# Altium PCB PyESPCar_Z1.PcbDoc
Units mil, origin at the board's own origin, x right, y up, seen from the top; angles counter-clockwise.
Board outline 3543.31 x 3385.83 mil, 2 copper layers (Top Layer, Bottom Layer); 48 components, 49 nets, 243 pads, 37 vias.
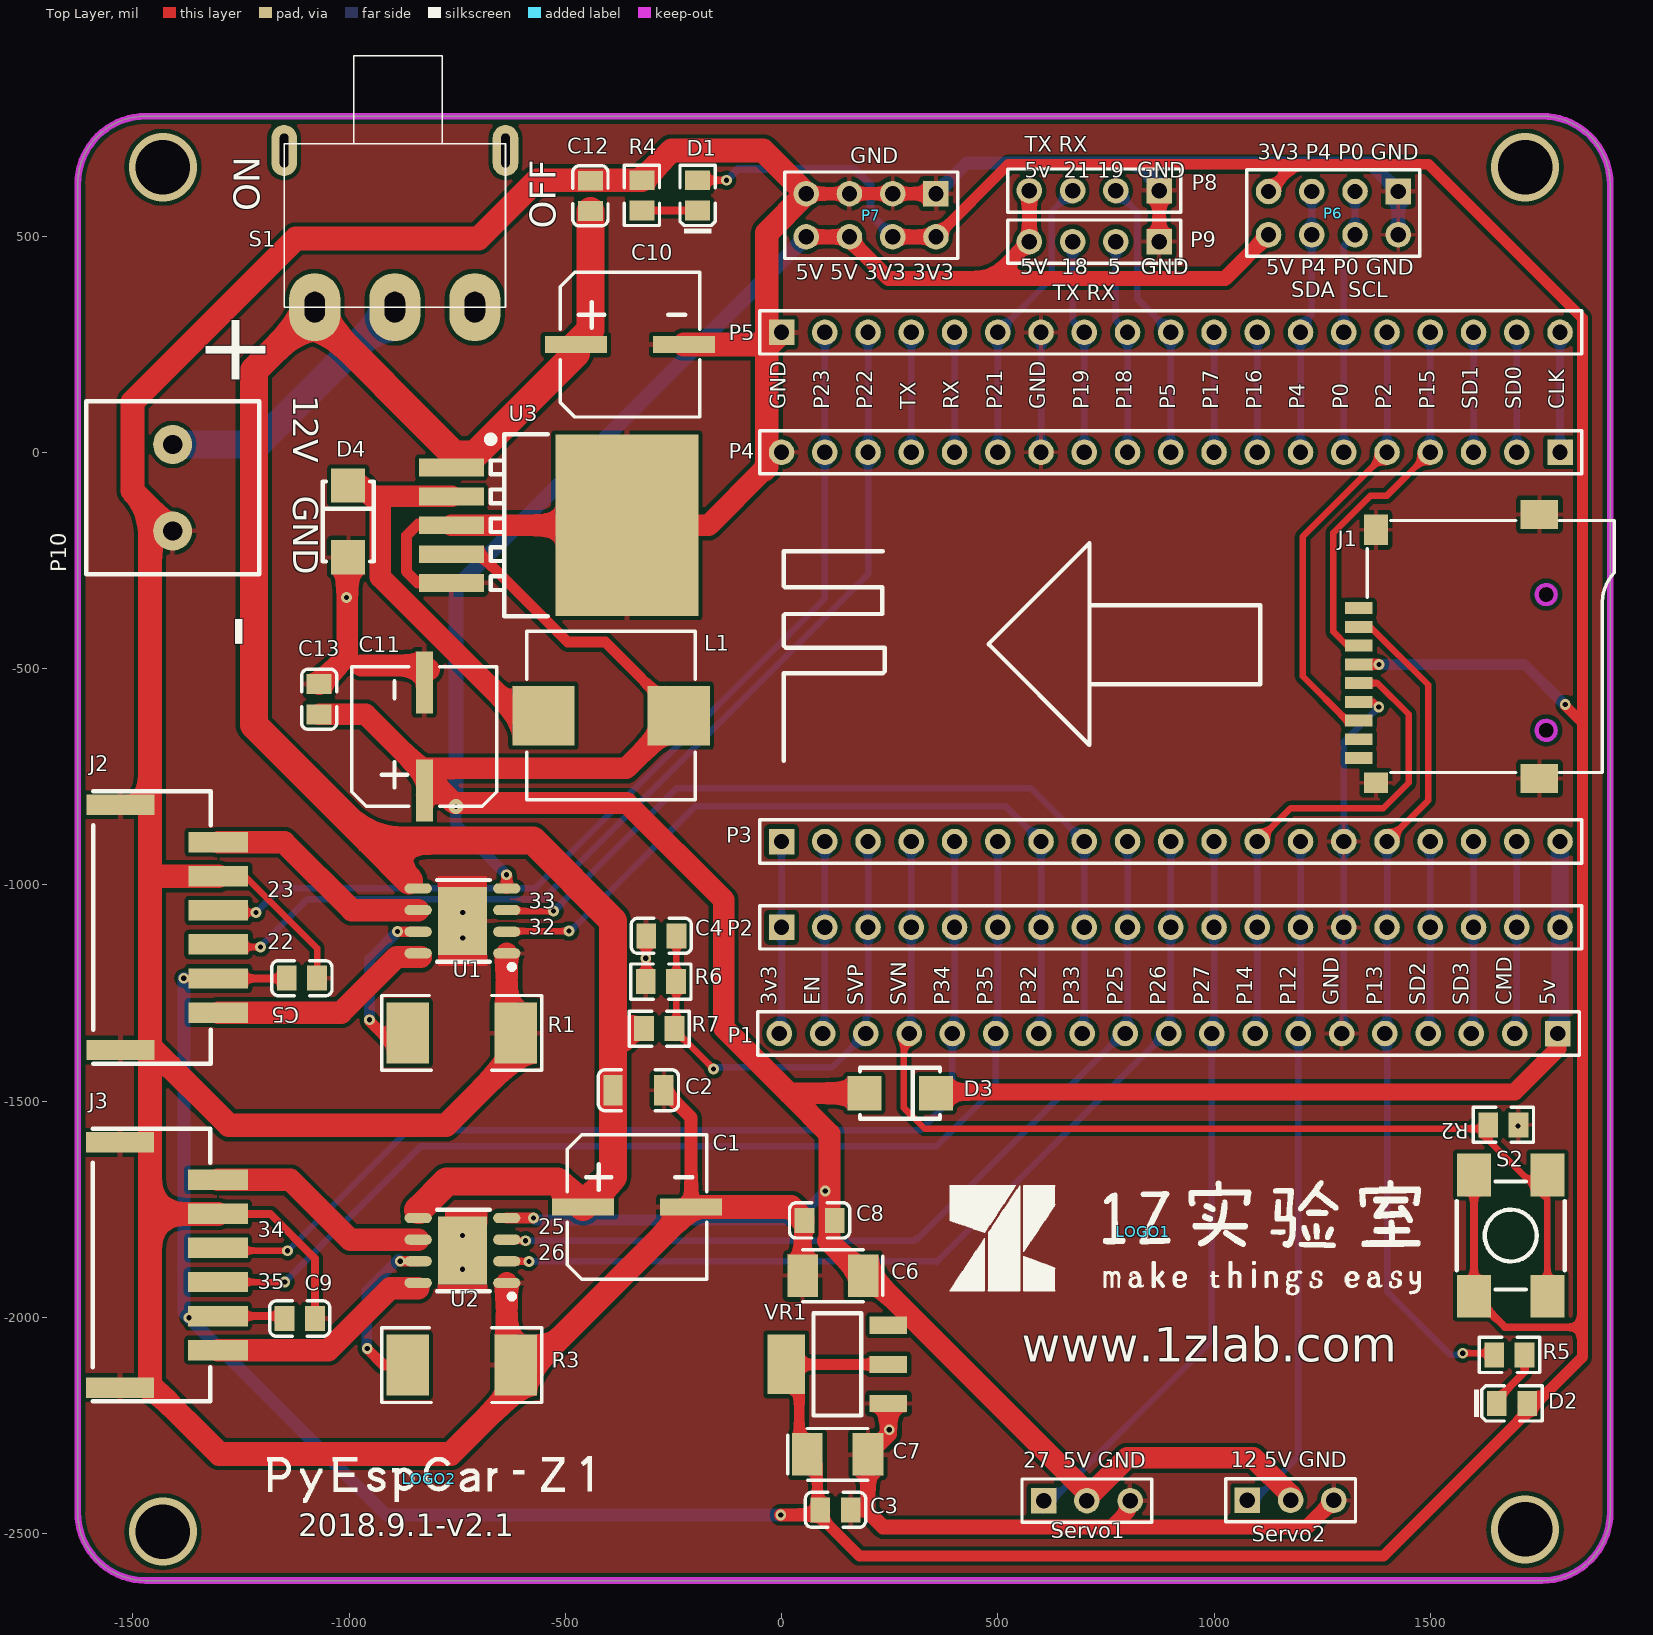
[diagram p0: Top Layer view]
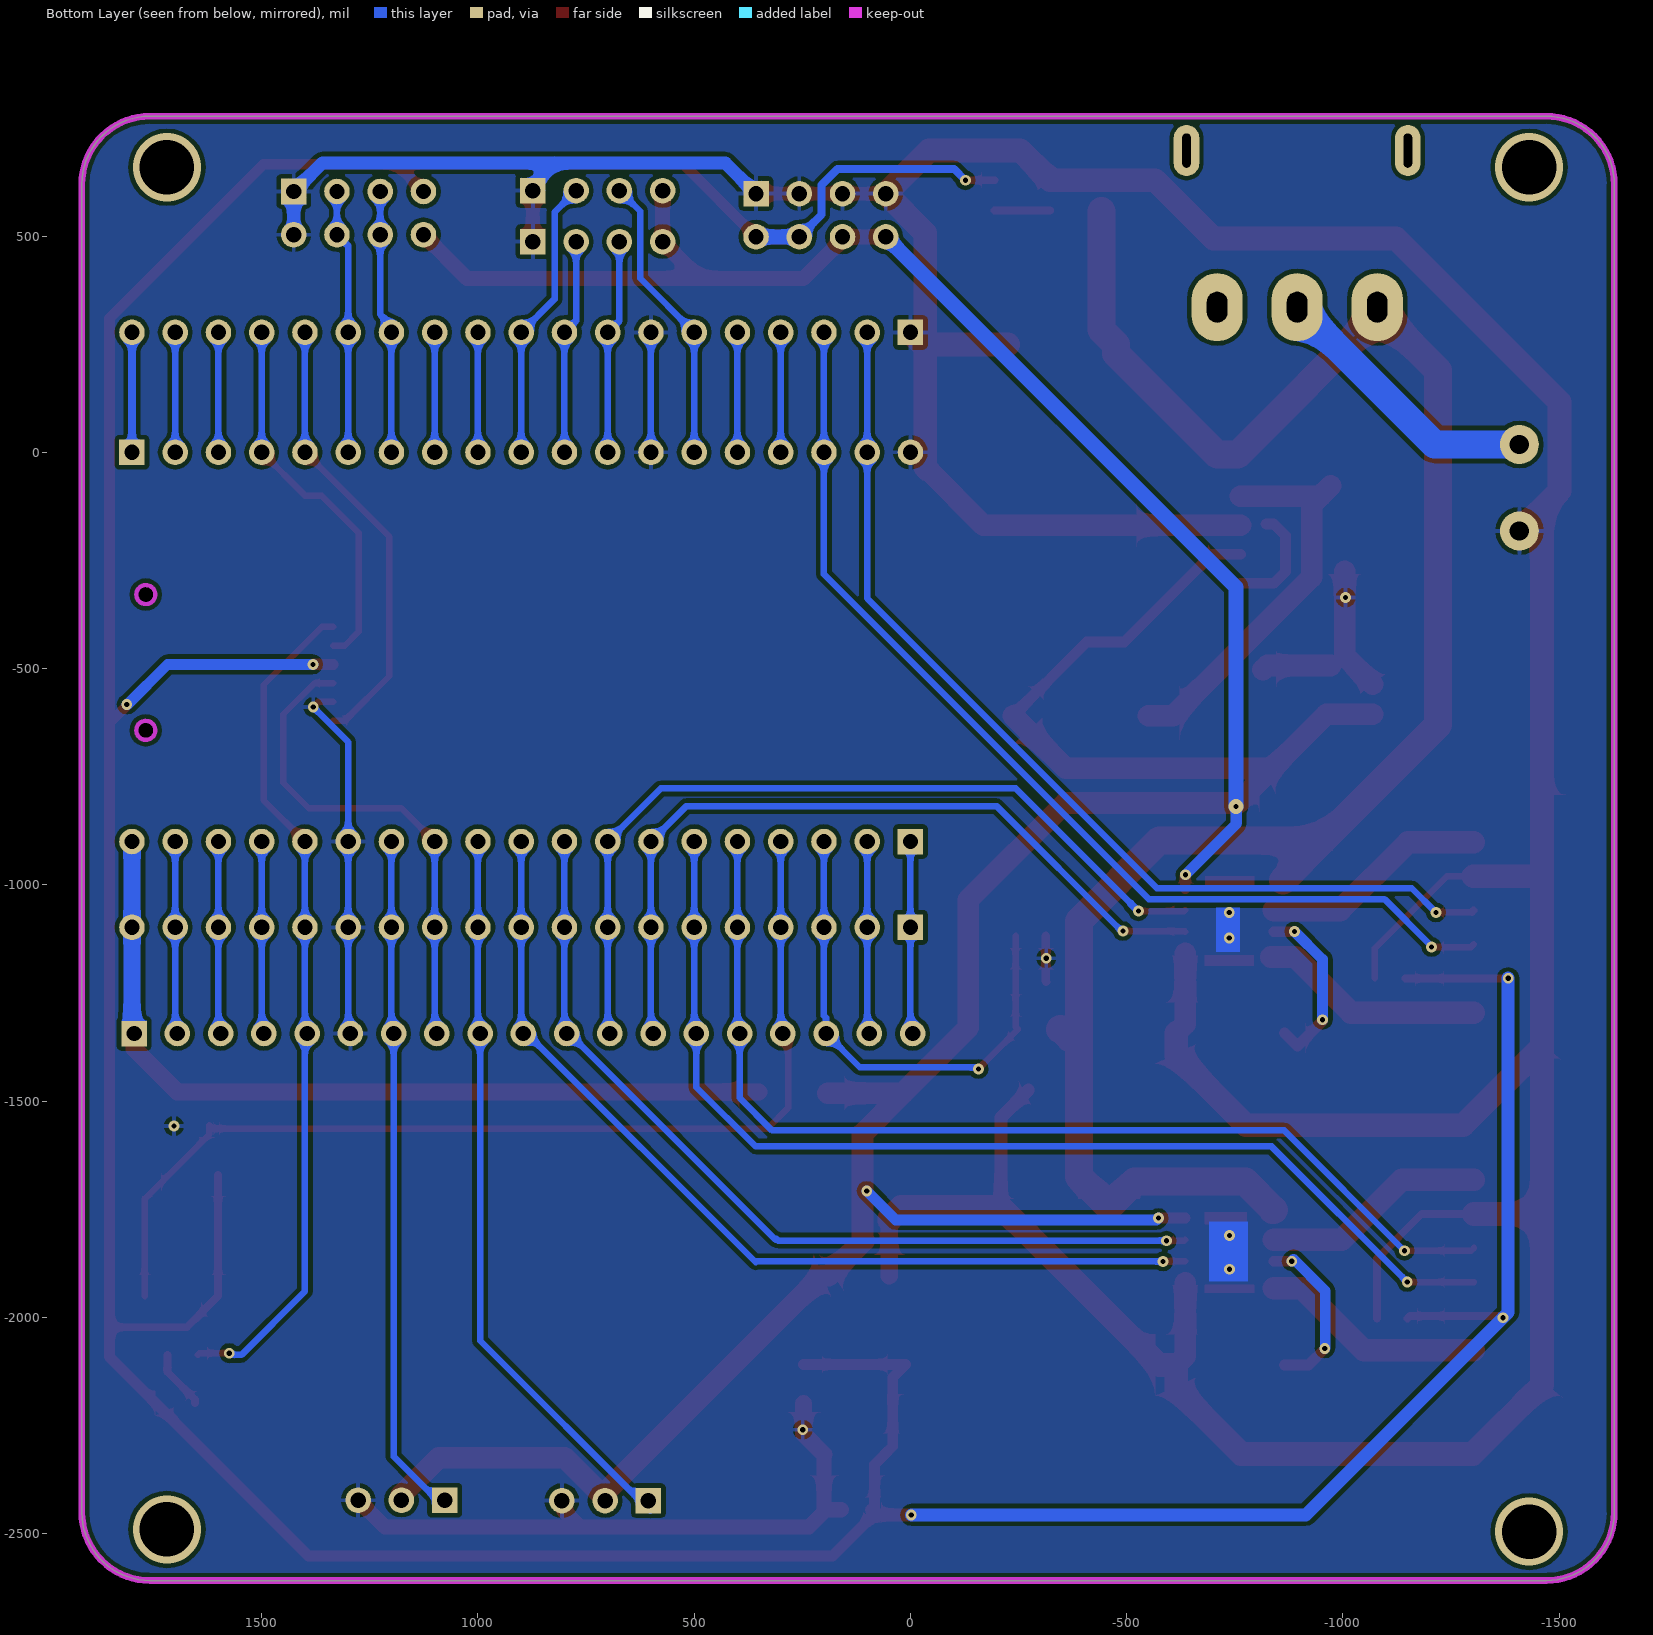
[diagram p1: Bottom Layer view, seen from below]

## Layer stack, top to bottom
Top Solder: solder mask 0.4, Solder Resist, Dk 3.5
Top Layer: signal copper 1.4
Dielectric1: core 12.6, FR-4, Dk 4.8
Bottom Layer: signal copper 1.4
Bottom Solder: solder mask 0.4, Solder Resist, Dk 3.5

## Board outline
-1627.41,-2451.25 ccw(c-1469.93,-2451.25) -1469.93,-2608.73 1758.42,-2608.73 ccw(c1758.42,-2451.25) 1915.9,-2451.25 1915.9,619.61 ccw(c1758.42,619.61) 1758.42,777.09 -1469.93,777.09 ccw(c-1469.93,619.61) -1627.41,619.61
cut-out: 1746,-329 ccw(c1768,-329) 1768,-351 ccw(c1768,-329) 1790,-329 ccw(c1768,-329) 1768,-307 ccw(c1768,-329)
cut-out: 1746,-643 ccw(c1768,-643) 1768,-665 ccw(c1768,-643) 1790,-643 ccw(c1768,-643) 1768,-621 ccw(c1768,-643)

## Design rules (kind name [scope] priority, off if disabled: settings)
Clearance [All] p1: gap=10 ignorepadtopadclearanceinfootprint=FALSE except(0: Arc-Hole Track-Hole SMDPad-Hole THPad-Hole Via-Hole Fill-Hole Poly-Hole Region-Hole Text-Hole)
HoleSize [All] p1: absolutevalues=TRUE maxlimit=200 minlimit=1 maxpercent=80.000 minpercent=20.000
PolygonConnect [All] p1: connectstyle=Relief reliefconductorwidth=10 reliefentries=4 polygonreliefangle="90 Angle" airgapwidth=10
RoutingVias [All] p1: holewidth=23.62 width=39.37 viastyle="Through Hole" minholewidth=1 minwidth=1 maxholewidth=28 maxwidth=50
SolderMaskExpansion [All] p1: expansion=4
Width [All] p1: maxlimit=65 minlimit=10 preferedwidth=50
29 further rules are at their usual default settings.

## Components (designator, comment, footprint, x,y, rotation, side; value= is the part's Value field where it differs from the comment)
C1 "220uF 35V" CAPM8485X103N -334,-1745 r0 top value=220uF35V
C2 "4.7uF (475) 10% 50V" 1206_C -331,-1475 r180 top
C3 "100nF(104) 10% 50V" 0805_C 124.8,-2445.18 r180 top
C4 "100nF(104) 10% 50V" 0805_C -278,-1118 r180 top
C5 "100nF(104) 10% 50V" 0805_C -1109,-1216 r180 top
C6 "22uF(226)±20% 10V" CAP-3528 118.8,-1904.18 r180 top
C7 "22uF(226)±20% 10V" CAP-3528 129.8,-2317.18 r0 top
C8 "100nF(104) 10% 50V" 0805_C 88,-1776 r0 top
C9 "100nF(104) 10% 50V" 0805_C -1114,-2003 r180 top
C10 "220uF 35V" CAPM8485X103N -350.47,248.93 r0 top value=220uF35V
C11 "220uF 35V" CAPM8485X103N -826,-657 r90 top value=220uF35V
C12 "100nF(104) 10% 50V" 0805_C -442,593 r270 top
C13 "100nF(104) 10% 50V" 0805_C -1069,-571 r270 top
D1 "红灯 0805" 0805_LED_S1 -194,594 r90 top
D2 "红灯 0805" 0805_LED_S1 1689,-2199 r0 top
D3 "SS54" SMA(DO-214AC)_S1 274,-1482 r180 top
D4 "SS54" SMA(DO-214AC)_S1 -1002,-160 r270 top
J1 "SDCARD-M" SDCARD-M 1768,-449 r0 top locked
J2 "PH-PS-2.0-6" PH-PS-2.0-6 -1591.37,-1413.59 r90 top
J3 "PH-PS-2.0-6" PH-PS-2.0-6 -1592.37,-2194.07 r90 top
L1 "33uH ±20%" CAPM100100X103N -394,-609 r0 top value=33uH
LOGO1 "LOGO_1ZLAB" 1ZLAB_LOGO 836,-1802 r0 top
LOGO2 "LOGO_CAR" car_logo -814,-2373 r0 top
P1 "Header 19" HDR1X19 1795,-1344 r180 top
P2 "Header 19 排母" HDR1X19 0,-1098.43 r0 top
P3 "Header 19 排母" HDR1X19 0,-900 r0 top
P4 "Header 19 排母" HDR1X19 1800,0 r180 top
P5 "Header 19" HDR1X19 0,277.18 r0 top
P6 "Header 4X2" HDR2X4 1426,603 r180 top
P7 "Header 4X2" HDR2X4 357,598 r180 top
P8 "Header 4" HDR1X4 873,605 r180 top
P9 "Header 4" HDR1X4 873,487 r180 top
P10 "KF128-2P" HDR2X1_D1 -1408,-82 r90 top
R1 "0.25Ω（2512）1W,1%" 2512 -739.76,-1342.56 r180 top value=0.25Ω
R2 "1.5KΩ (1501) ±1%" 0805_R 1669,-1555 r180 top
R3 "0.25Ω（2512）1W,1%" 2512 -739.76,-2110.56 r180 top value=0.25Ω
R4 "1.5KΩ (1501) ±1%" 0805_R -323,594 r270 top
R5 "1.5KΩ (1501) ±1%" 0805_R 1683.04,-2087 r0 top
R6 "1KΩ (1001) ±1%" 0805_R -279,-1224 r0 top
R7 "10KΩ (1002) ±1%" 0805_R -282.76,-1332.82 r180 top
S1 "SS-12D11-G6" SW-3 -883,554 r0 top
S2 "贴片 6*6*5 微动开关" SW_PB4_A1 1686,-1811 r270 top
Servo1 "Header 3" HDR1X3 606,-2424 r0 top
Servo2 "Header 3" HDR1X3 1077,-2423 r0 top
U1 "A4950ELJTR-T" SOP-8_EP_150mil -737.76,-1083.56 r90 top
U2 "A4950ELJTR-T" SOP-8_EP_150mil -737.76,-1845.56 r90 top
U3 "LM2596T-5V(S)" TO-263-5 -763.14,-168.76 r180 top
VR1 "AMS1117-3.3" SOT-223 129,-2109 r0 top

## Footprints (in the part's own frame and the unit in brackets; to place one, negate y for a bottom-side part, rotate by r counter-clockwise, add the part's x,y. Pads: shape width x height; smd on the part's side, far side on the other; paste and mask are expansions set on the pad)
1ZLAB_LOGO [mil]
  silkscreen extent -448,-146 642,119
0805_C [mm]
  rect 1.16x1.47 smd: 1(-0.89,0) 2(0.89,0)
  silkscreen extent -1.77,-1.04 1.77,1.04, body extent -1,-0.62 1,0.63, height 0.77
0805_LED_S1 [mm]
  rect 1.16x1.47 smd: A(0.89,0) K(-0.89,0)
  silkscreen extent -2.25,-1.04 1.77,1.03, body extent -1.01,-0.62 1.01,0.62, height 1.1
0805_R [mm]
  rect 1.16x1.47 smd: 1(-0.89,0) 2(0.89,0)
  silkscreen extent -1.77,-1.04 1.77,1.04, body extent -1,-0.62 1,0.63, height 0.49
1206_C [mm]
  rect 1.13x1.8 smd: 1(-1.49,0) 2(1.49,0)
  silkscreen extent -2.36,-1.2 2.36,1.2, body extent -1.6,-0.81 1.6,0.79, height 1
2512 [mm] "保险丝"
  rect 2.5x3.6 smd: 1(-3.175,0) 2(3.175,0)
  silkscreen extent -4.7,-2.2 4.7,2.2, body extent -3.18,-1.65 3.18,1.65, height 1.2
CAP-3528 [mm] "钽电容"
  rect 1.8x2.5 smd: 1(-1.778,0) 2(1.778,0)
  silkscreen extent -2.92,-1.52 1.78,1.52, body extent -1.91,-1.4 1.91,1.4, height 1.1
CAPM8485X103N [mm] "Molded Capacitor, 2-Leads, Body 8.40x8.50mm, IPC Medium Density"
  rect 3.65x1 smd: 1(-3.175,0) 2(3.175,0)
  silkscreen extent -4.1,-4.25 4.1,4.25, body extent -4.1,-4.2 4.1,4.2, height 10.3
CAPM100100X103N [mm] "Molded Capacitor, 2-Leads, Body 10.00x10.00mm, IPC Medium Density"
  rect 3.65x3.5 smd: 1(-3.975,0) 2(3.975,0)
  silkscreen extent -4.95,-4.95 4.95,4.95, body extent -4.9,-4.9 4.9,4.9, height 10.3
car_logo [mil]
  silkscreen extent -376,-54 376,51
HDR1X3 [mm] "Connector; Header; 3 Position"
  rect 1.5x1.5 hole 0.9: 1(0,0)
  round 1.5 hole 0.9: 2(2.54,0) 3(5.08,0)
  silkscreen extent -1.27,-1.27 6.35,1.27
HDR1X4 [mm] "Connector; Header; 4 Position"
  rect 1.5x1.5 hole 0.9: 1(0,0)
  round 1.5 hole 0.9: 2(2.54,0) 3(5.08,0) 4(7.62,0)
  silkscreen extent -1.27,-1.27 8.89,1.27
HDR1X19 [mm] "Connector; Header; 19 Position"
  rect 1.5x1.5 hole 0.9: 1(0,0)
  round 1.5 hole 0.9: 2(2.54,0) 3(5.08,0) 4(7.62,0) 5(10.16,0) 6(12.7,0) 7(15.24,0) 8(17.78,0) 9(20.32,0) 10(22.86,0) 11(25.4,0) 12(27.94,0) 13(30.48,0) 14(33.02,0) 15(35.56,0) 16(38.1,0) 17(40.64,0) 18(43.18,0) 19(45.72,0)
  silkscreen extent -1.27,-1.27 46.99,1.27
HDR2X1_D1 [mil] "5.08mm端子"
  round 90 hole 45: 1(-100,0) 2(100,0)
  silkscreen extent -200,-200 200,200
HDR2X4 [mm] "Connector; Header; 4x2 Position"
  rect 1.5x1.5 hole 0.9: 1(0,0)
  round 1.5 hole 0.9: 2(0,2.54) 3(2.54,0) 4(2.54,2.54) 5(5.08,0) 6(5.08,2.54) 7(7.62,0) 8(7.62,2.54)
  silkscreen extent -1.27,-1.27 8.89,3.81
PH-PS-2.0-6 [mm]
  rect 1.2x4 smd: 0(0.8,-1.6) 0(15.2,-1.6)
  rect 1.2x3.5 smd: 1(3,-7.35) 2(5,-7.35) 3(7,-7.35) 4(9,-7.35) 5(11,-7.35) 6(13,-7.35)
  silkscreen extent 0,-6.9 16,0
SDCARD-M [mm] "TF卡"
  rect 1.6x0.7 smd: 1(-11.008,2.25) 2(-11.008,1.15) 3(-11.008,0.05) 4(-11.008,-1.05) 5(-11.008,-2.15) 6(-11.008,-3.25) 7(-11.008,-4.35) 8(-11.008,-5.45) 9(-11.008,-6.55)
  rect 1.4x1.2 smd: 10(-10,-8.004)
  rect 2.2x1.7 smd: 11(-0.4,-7.75) 13(-0.4,7.75)
  rect 1.4x1.8 smd: 12(-10,6.85)
  silkscreen extent -10.5,-7.4 4,7.4
SMA(DO-214AC)_S1 [mm]
  rect 2x2 smd: 1(2.1,0) 2(-2.1,0)
  silkscreen extent -2.35,-1.5 2.35,1.5
SOP-8_EP_150mil [mm]
  rect 4x2.9 smd: 0(0,0)
  oval 0.6x1.6 smd: 1(-1.905,-2.6) 2(-0.635,-2.6) 3(0.635,-2.6) 4(1.905,-2.6) 5(1.905,2.6) 6(0.635,2.6) 7(-0.635,2.6) 8(-1.905,2.6)
  silkscreen extent -2.85,-3.05 2.4,1.5
SOT-223 [mm]
  rect 2.2x1 smd: 1(3,-2.3) 2(3,0) 3(3,2.3)
  rect 2.2x3.5 smd: 2(-3,0)
  silkscreen extent -1.4,-3 1.4,3, body extent -3.49,-3.24 3.49,3.24, height 1.64
SW-3 [mm]
  oval 1.5x3 hole 0.5 slot 2 at 90 deg: 0(-6.784,3.649) 0(6.216,3.649)
  oval 3x4 hole 1.2 slot 1.8 at 90 deg: 1(-4.984,-5.551) 2(-0.284,-5.551) 3(4.416,-5.551)
  silkscreen extent -6.78,-5.55 6.22,9.22
SW_PB4_A1 [mil]
  rect 98.42x78.74 smd: 1(-140,85) 2(-140,-85) 3(140,-85) 4(140,85)
  silkscreen extent -125,-125 125,125, body extent -125,-125 125,125, height 236
TO-263-5 [mm]
  rect 8.4x10.65 smd: 0(-10.3,0)
  rect 3.8x1.05 smd: 1(0,-3.4) 2(0,-1.7) 3(0,0) 4(0,1.7) 5(0,3.4)
  silkscreen extent -5.65,-5.35 -2.1,5.35

## Part data
C1: library part "Cap Pol1", "贴片电解电容", LatestRevisionDate=17-Jul-2002, LatestRevisionNote="Re-released for DXP Platform.", PackageDescription="Polarized Capacitor (Radial); 2 Leads", PackageReference=RB7.6-15, Published=8-Jun-2000, Publisher="Altium Limited"
C2: library part "1206 4.7uF (475) 10% 50V", "贴片电容", Package=1206, SuppliersPartNumber=C29823, ComponentLink1Description=供应商链接, ComponentLink1URL=http://www.szlcsc.com/product/details_30577.html, Supplier=LC
C3 C4 C5 C8 C9 C12 C13: library part "0805 100nF(104) 10% 50V", "贴片电容", Package=0805, SuppliersPartNumber=C49678, ComponentLink1Description=供应商链接, ComponentLink1URL=http://www.szlcsc.com/product/details_50686.html, Supplier=LC
C6 C7: library part "Cap Pol", "钽电容", LatestRevisionDate=17-Jul-2002, LatestRevisionNote="Re-released for DXP Platform.", PackageReference=RB7.6-15, Published=8-Jun-2000, Publisher="Altium Limited", Vol=16V
C10 C11: library part "Cap Pol1", "贴片铝解电容", LatestRevisionDate=17-Jul-2002, LatestRevisionNote="Re-released for DXP Platform.", PackageDescription="Polarized Capacitor (Radial); 2 Leads", PackageReference=RB7.6-15, Published=8-Jun-2000, Publisher="Altium Limited"
D1 D2: library part "0805 红灯", "发光二极管", Package=0805, SuppliersPartNumber=C2295, ComponentLink1Description=供应商链接, ComponentLink1URL=http://www.szlcsc.com/product/details_2668.html, Supplier=LC
D3 D4: library part "SMA(DO-214AC) SS54", "二极管", Package=SMA(DO-214AC), SuppliersPartNumber=C22452, ComponentLink1Description=供应商链接, ComponentLink1URL=http://www.szlcsc.com/product/details_23178.html, Supplier=LC
J1: "TF卡槽"
L1: library part Inductor, "功率电感 MS104R-330MT", Code_IEC=1005, Code_JEITA=0402, LatestRevisionDate=29-May-2009, LatestRevisionNote="IPC-7351 Footprint Added.", PackageDescription="Chip Inductor", PackageReference=0402-A, Published=8-Jun-2000, Publisher="Altium Limited"
P1 P5: "Header, 19-Pin 排针", LatestRevisionDate=17-Jul-2002, LatestRevisionNote="Re-released for DXP Platform.", Publisher="Altium Limited"
P2 P3 P4: library part "Header 19", "Header, 19-Pin 排母", LatestRevisionDate=17-Jul-2002, LatestRevisionNote="Re-released for DXP Platform.", Publisher="Altium Limited"
P6 P7: "Header, 4-Pin, Dual row", LatestRevisionDate=17-Jul-2002, LatestRevisionNote="Re-released for DXP Platform.", Publisher="Altium Limited"
P8 P9: "Header, 4-Pin", LatestRevisionDate=17-Jul-2002, LatestRevisionNote="Re-released for DXP Platform.", Publisher="Altium Limited"
P10: library part "Header 2", "5.08mm端子", LatestRevisionDate=17-Jul-2002, LatestRevisionNote="Re-released for DXP Platform.", Publisher="Altium Limited"
R1 R3: library part Res3, "超低阻值电阻", LatestRevisionDate=29-May-2009, LatestRevisionNote="IPC-7351 Footprint Added.", PackageDescription="Chip Resistor", PackageReference=J1-0603, Published=8-Jun-2000, Publisher="Altium Limited"
R2 R4 R5: library part "0603 1.5KΩ (1501) 1%", "贴片电阻", Package=0603, SuppliersPartNumber=C22843, ComponentLink1Description=供应商链接, ComponentLink1URL=http://www.szlcsc.com/product/details_23570.html, Supplier=LC
R6 R7: library part "0805 1KΩ (1001) 1%", "贴片电阻", Package=0805, SuppliersPartNumber=C17513, ComponentLink1Description=供应商链接, ComponentLink1URL=http://www.szlcsc.com/product/details_18201.html, Supplier=LC
S1: library part SW-SPDT, "拨动开关2档带固定脚黑色短柄 3脚侧", ComponentLink1Description="Manufacturer Link", ComponentLink1URL=http://www.apem.com, DatasheetVersion=05-Dec-2000, LatestRevisionDate=17-Dec-2003, LatestRevisionNote="Schematic revised, PCB Footprint replaced.", PackageDescription="Switch; 4 Leads", PackageReference=TL36WW15050, Published=24-Mar-1999, Publisher="Altium Limited"
S2: library part SW-PB4, LatestRevisionDate=17-Jul-2002, LatestRevisionNote="Re-released for DXP Platform.", PackageReference=SPST-2, Published=24-Mar-1999, Publisher="Altium Limited"
Servo1 Servo2: "Header, 3-Pin", LatestRevisionDate=17-Jul-2002, LatestRevisionNote="Re-released for DXP Platform.", Publisher="Altium Limited"
U1: library part A4950, "A4950 电机驱动"
U2: library part A4950, "A4950电机驱动"
U3: "稳压芯片"
VR1: library part "SOT-223 AMS1117-3.3", "低压差线性稳压(LDO)", Package=SOT-223, SuppliersPartNumber=C6186, ComponentLink1Description=供应商链接, ComponentLink1URL=http://www.szlcsc.com/product/details_6652.html, Supplier=LC

## Via types
v1: diameter 25, hole 12, Top Layer to Bottom Layer, 32 vias
v2: diameter 157.48, hole 125.98, Top Layer to Bottom Layer, 4 vias
v3: diameter 35, hole 12, Top Layer to Bottom Layer, 1 vias

## Nets (pads, with @x,y where several pads share a name; then routed paths per layer and width w, separated by ;. In a path a pad name is that pad's centre, name@x,y a point inside that pad or via, vN(x,y) a via of type N, cw(c..) or ccw(c..) an arc to the next point about the centre after c; other vN are vias at no path point)
3.3v: P1.19 P2.1 P3.1 | length 453.1
  Top Layer w15: P1.19 P1.19@0,-1339
  Bottom Layer w15: P1.19 0,-1339 P3.1
3V3: C3.2 C5.2 C7.1 C9.2 D1.A D2.A J1.4 J2.2 J3.2 P6.7 P7.2 P7.4 S2.2 S2.3 VR1.2 | length 11613.5
  Top Layer w18: v1@-1381.26,-1216.74 J2.2 -1144.78,-1216.74 C5.2 ; J3.2@-1366.22,-1997.22 J3.2 -1154.82,-1997.22 C9.2 ; D1.A v1(-126.96,629.04) ; S2.2 S2.3 1673,-2023 1852.03,-2023
  Top Layer w25: VR1.2@247.11,-2109 10.89,-2109 41,-2139.11 41,-2298.39 C7.1 59.8,-2317.8 83,-2341 83,-2438.43 C3.2 89.76,-2461.76 180,-2552 1392,-2552 1852.03,-2091.97 1852.03,-2023 1852.03,-623 ; P7.2 525,666 1189,666 ; P6.7 1189,666 ; J1.4 v1(1381.66,-490.34) ; v1(1812,-583) 1812,-586 1849,-623 ; 1852.03,-622 1852.03,309.88 1495.91,666 1189,666
  Top Layer w30: v1(-2,-2457) 77.94,-2457 C3.2
  Top Layer w35: P7.4 P7.2
  Bottom Layer w18: v1(-126.96,629.04) -101,655 168.63,655 205.53,618.1 205.53,549.47 P7.4
  Bottom Layer w25: v1(1381.66,-490.34) 1717.34,-490.34 1810,-583 v1(1812,-583)
  Bottom Layer w30: v1(-1382,-1216) -1382,-1989 v1(-1370,-2001) -914,-2457 v1(-2,-2457)
  Bottom Layer w35: P7.4 P7.2
5V: C6.1 C8.2 C11.1 C13.2 D3.1 L1.2 P6.8 P7.6 P7.8 P8.4 P9.4 Servo1.2 Servo2.2 U1.4 U2.4 U3.4 VR1.3 | length 8939.9
  Top Layer w25: U3.4 -697.52,-235.68 -494.21,-439 -407.5,-439 L1.2 ; v1(-636,-977) -635.39,-977.61 U1.4 ; U2.4 v1(-573.44,-1770.56) ; v1(101,-1708) v1@101,-1704
  Top Layer w35: P7.8 151,498 247,402 488,402 ; P8.4 P9.4 488,402 ; P6.8 1025,402 488,402
  Top Layer w50: C13.2 -961.96,-606.04 v3@-757,-811 ; C11.1@-832,-729 -830,-731 -359.5,-731 L1.2 ; v3@-753,-811 -358,-811 -134,-1035 -134,-1331 18.5,-1483.5 ; v1@110.8,-1708 110.8,-1819.43 107.42,-1822.81 C6.1 205.18,-1904.18 Servo1.2@702,-2401 ; v1@110.8,-1704 110.8,-1575.8 18.5,-1483.5 ; D3.1 20,-1482 18.5,-1483.5 ; Servo1.2@703,-2421 799,-2325 1091,-2325 1177,-2411 Servo2.2
  Bottom Layer w25: v3(-753,-819) -753,-860 v1(-636,-977) ; v1(-573.44,-1770.56) -569,-1775 34,-1775 v1(101,-1708)
  Bottom Layer w35: v3(-753,-819) -753,-312 P7.8
5VIN: D3.2 P1.1 P2.19 P3.19 | length 1967.5
  Top Layer w40: D3.2@350,-1479 1695,-1479 1795,-1379 P1.1
  Bottom Layer w40: P1.1 1800,-1339 P3.19
12IN: P10.2 S1.2 | length 645.3
  Bottom Layer w65: P10.2 -1211.66,18 S1.2
12V: C1.1 C2.2 C10.1 C12.2 R7.2 S1.1 U1.5 U2.5 U3.1 | length 4522.7
  Top Layer w65: S1.1 S1.1@-1079.24,329.76 ; S1.1@-1076.39,332.61 S1.1@-1079.24,329.76 ; -861,-990 -953,-898 ; -840.12,-1752.06 -837.34,-1752.06 -837.34,-1749.21 -774.13,-1686 -518,-1686 C1.1 -389.66,-1675.66 C2.2 -389.66,-1083.34 -575,-898 -953,-898 ; C12.2 -442,282.4 C10.1 -475.47,228.53 -708.8,-4.8 -757.2,-4.8 -1079.24,317.24 S1.1@-1079.24,329.76 ; -368.83,-1354.83 -348,-1334 -346,-1334 ; S1.1@-1079.24,329.76 -1220,189 -1220,-631 -953,-898
ADC: C4.1 P1.17 P2.3 P3.3 R6.2 R7.1 | length 1186.7
  Top Layer w15: C4.1 -242.96,-1328.06 R7.1 -247.72,-1335.28 v1(-157,-1426) ; P1.17 P1.17@200,-1339
  Bottom Layer w15: v1(-157,-1426) -153,-1422 117,-1422 P1.17 195,-1308 200,-1303 P3.3
AO1: J2.6 U1.6 | length 526.8
  Top Layer w52: J2.6 -1150.22,-901.78 -993.44,-1058.56 U1.6
AO2: J2.1 U1.8 | length 521.2
  Top Layer w52: J2.1 -1018.48,-1295.48 -890,-1167 U1.8@-834,-1167
BNT: P1.16 P2.4 P3.4 R2.2 S2.1 S2.4 | length 2448.4
  Top Layer w15: P1.16@300,-1339 P1.16 283,-1356 283,-1516 331,-1564 1612.96,-1564 1620.96,-1556 1620.96,-1576.96 1771,-1727 S2.4
  Bottom Layer w15: P1.16 300,-1339 P3.4
BO1: J3.6 U2.6 | length 520.2
  Top Layer w52: J3.6 -1135.74,-1682.26 -997.44,-1820.56 U2.6
BO2: J3.1 U2.8 | length 522.2
  Top Layer w52: J3.1 -1047.96,-2075.96 -905,-1933 -840,-1933
CLK: P4.1 P5.19 | length 277.2
  Bottom Layer w18: P4.1 P5.19
CMD: P1.2 P2.18 P3.18 | length 446.1
  Bottom Layer w15: P1.2 1700,-1339 P2.18 P3.18
GND: C1.2 C2.1 C3.1 C4.2 C5.1 C6.2 C7.2 C8.1 C9.1 C10.2 C11.2 C12.1 C13.1 D4.1 J1.6 J1.10 J1.11 J1.12 J1.13 J2.0 J2.5 J3.0 J3.5 P1.6 P2.14 P3.14 P4.13 P4.19 P5.1 P5.7 P6.1 P6.2 P7.1 P7.3 P7.5 P7.7 P8.1 P9.1 P10.1 R1.1 R2.1 R3.1 R4.1 R6.1 Servo1.3 Servo2.3 U1.0 U1.1 U2.0 U2.1 U3.0 U3.3 U3.5 VR1.1 | length 15807.5
  Top Layer w15: J2.5 -1240.48,-980.52 -1073.96,-1147.04 C5.1 ; J1.6 1368.95,-576.95 v1(1381,-589)
  Top Layer w18: J3.5 -1182,-1761 -1078.96,-1864.04 C9.1
  Top Layer w20: R6.1 -313.04,-1223 C4.2
  Top Layer w25: U3.3@-822,-166 -840,-166 -867,-193 -867,-276 -840.39,-302.61 U3.5
  Top Layer w30: C2.1 -209,-1538.34 C1.2 ; P7.7 P7.5 P7.3 P7.1 ; P9.1 P8.1
  Top Layer w35: C3.1 188.82,-2445.18 199.8,-2434.2 ; C7.2 199.8,-2434.2 ; 765,-2484 Servo1.3@802,-2447 ; Servo2.3 1215,-2485 235,-2485 199.8,-2449.8 199.8,-2434.2
  Top Layer w40: C6.2 48.8,-1780.17 C8.1 ; C7.2 247.11,-2269.87 VR1.1
  Top Layer w50: C13.1 -1004,-470.96 D4.1@-1004,-274.92 ; -971.76,-493 -825,-493 C11.2@-815,-503 ; U3.3 U3.0 -168.76,-168.76 -39.5,-39.5 ; U2.1 -635.39,-2089.92 R3.1 ; U1.1 -635.39,-1321.92 R1.1
  Top Layer w55: P10.1 -1460,-130 ; J3.5 -1460,-1761 ; J2.5 -1459.48,-980.52 -1460,-980 ; R1.1 -614.76,-1394.76 -776,-1556 -1278,-1556 -1451.91,-1382.09 J2.0@-1460,-1382.09 ; C10.2 -34,248.93 ; -39.5,-39.5 -34,-34 -34,248.93 ; -34,277.18 -34,507 P7.7 -43,698 -254.04,698 R4.1 -565.96,629.04 -701,494 -1123,494 -1501,116 -1501,-89 -1460,-130 ; P5.1 -28.25,248.93 -34,248.93 ; C8.1@48.3,-1776 48.3,-1771.33 21.96,-1745 C1.2 -574.56,-2110.56 R3.1 -614.76,-2165.76 -765,-2316 -1300,-2316 -1460,-2156 -1460,-1761 ; -1460,-1761 J2.0@-1460,-1382.09 ; J2.0@-1460,-1382.09 -1460,-980 ; -1460,-980 -1460,-130
  Bottom Layer w15: P4.13 P5.7 ; P1.6 1300,-1339 P3.14 1300,-670 v1(1381,-589)
  Bottom Layer w30: P7.1 428,669 822,669 ; P8.1 873,618 822,669 ; P6.2 P6.1 1360,669 822,669
  other v1: 249,-2260 -738,-1889 -738,-1811 1703,-1558 -314,-1170 -737,-1123 -737,-1064 -1006,-336
NetD1_K: D1.K R4.2 | length 129
  Top Layer w18: R4.2 D1.K
NetD2_K: D2.K R5.2 | length 138.6
  Top Layer w18: D2.K 1653.96,-2190.44 1718.08,-2126.32 R5.2
NetD4_2: D4.2 L1.1 U3.2 | length 923.4
  Top Layer w50: D4.2@-971.76,-77.32 -947.25,-101.83 ; U3.2 -947.25,-101.83 ; L1.1 -607,-609 -927.63,-288.37 -927.63,-121.45 -947.25,-101.83
NetP1_18: P1.18 P2.2 P3.2 | length 453.1
  Top Layer w15: P1.18 P1.18@100,-1339
  Bottom Layer w15: P1.18 100,-1339 P2.2 P3.2
NetR1_2: R1.2 U1.7 | length 407.6
  Top Layer w25: v1(-953,-1312) -953,-1315.2 -895.2,-1373 R1.2 ; v1(-888,-1108) -887.44,-1108.56 U1.7
  Bottom Layer w25: v1(-953,-1312) -953,-1172 -952,-1172 v1(-888,-1108)
NetR3_2: R3.2 U2.7 | length 394.2
  Top Layer w25: v1(-958,-2072) -958,-2073 -920.44,-2110.56 R3.2 ; v1(-881.44,-1870.56) U2.7
  Bottom Layer w25: v1(-958,-2072) -959,-2071 -959,-1939 -886,-1866 v1(-881.44,-1870.56)
P0: P4.6 P5.14 P6.3 P6.4 | length 613.8
  Bottom Layer w15: P4.6 P5.14 1300,477 P6.4 P6.3
P2: J1.7 P4.5 P5.15 | length 1047.9
  Top Layer w15: J1.7 1307.26,-620.26 1205,-518 1205,-195 P4.5
  Bottom Layer w15: P4.5 P5.15
P4: P4.7 P5.13 P6.5 P6.6 | length 598
  Bottom Layer w15: P4.7 P5.13 ; P5.13@1200,293 1226,319 P6.6 P6.5
P5: P4.10 P5.10 P8.2 | length 657.6
  Bottom Layer w15: P8.2 823,555 823,354.18 P5.10 P4.10
P12: P1.7 P2.13 P3.13 Servo2.1 | length 1590.9
  Bottom Layer w15: Servo2.1@1077,-2440 1195,-2322 P1.7 1200,-1339 P2.13 P3.13
P13: J1.2 P1.5 P2.15 P3.15 R5.1 | length 1972.3
  Top Layer w15: J1.2 1361.33,-403.72 1495,-537.39 1495,-805 P3.15 ; v1(1575,-2083) 1644,-2083 R5.1
  Bottom Layer w15: P3.15 1400,-1940 1547,-2087 1575,-2087 v1(1575,-2083)
P14: J1.5 P1.8 P2.12 P3.12 | length 1156
  Top Layer w15: P3.12 1177,-823 1391.35,-823 1450,-764.35 1450,-606 1377.65,-533.65 J1.5
  Bottom Layer w15: P1.8 1100,-1339 P3.12
P15: J1.3 P4.4 P5.16 | length 879.2
  Top Layer w15: J1.3 1307.9,-447.03 1276,-415.14 1276,-186 1361,-101 1399,-101 P4.4
  Bottom Layer w15: P4.4 P5.16
P16: P4.8 P5.12 | length 277.2
  Bottom Layer w15: P4.8 P5.12
P17: P4.9 P5.11 | length 277.2
  Bottom Layer w15: P4.9 P5.11
P18: P4.11 P5.9 P9.2 | length 498.2
  Bottom Layer w15: P9.2 773,304.18 P5.9 P4.11
P19: P4.12 P5.8 P9.3 | length 624.3
  Bottom Layer w15: P9.3 673,304.18 P5.8 P4.12 700,126.15
P21: P4.14 P5.6 P8.3 | length 676.7
  Bottom Layer w15: P4.14 P5.6 625,402.18 625,557 P8.3
P22: J2.3 P4.17 P5.3 | length 2424.8
  Top Layer w15: J2.3 -1295,-1145 -1294,-1144 v1(-1205,-1144)
  Bottom Layer w15: v1@-1201.5,-1147.5 -1201.5,-1138.5 -1096,-1033 -551,-1033 200,-282 P4.17 P5.3
P23: J2.4 P4.18 P5.2 | length 2319.9
  Top Layer w15: J2.4@-1298.26,-1063 -1297.26,-1064 v1(-1215,-1064)
  Top Layer w18: J2.4 J2.4@-1298.26,-1063
  Bottom Layer w15: v1(-1215,-1064) -1159,-1008 -570,-1008 100,-338 P4.18 P5.2
P25: P1.11 P2.9 P3.9 U2.3 | length 2077.5
  Top Layer w15: U2.3 -632.95,-1823 v1(-592,-1823)
  Bottom Layer w15: v1(-592,-1823) 306,-1823 310,-1819 312,-1821 789,-1344 P1.11 800,-1339 P2.9 P3.9
P26: P1.10 P2.10 P3.10 U2.2 | length 2196.6
  Top Layer w15: U2.2 -584.44,-1870.56 v1(-584,-1871)
  Bottom Layer w15: v1(-584,-1871) 356,-1871 358,-1873 887,-1344 P1.10 900,-1339 P2.10 P3.10
P27: P1.9 P2.11 P3.11 Servo1.1 | length 1711.9
  Bottom Layer w15: Servo1.1@602,-2447 995,-2054 P1.9 1000,-1339 P3.11
P32: P1.13 P2.7 P3.7 U1.2 | length 1844.1
  Top Layer w15: U1.2 -633.84,-1107 v1(-491.12,-1107) ; P1.13 P1.13@600,-1339
  Bottom Layer w15: v1(-491.12,-1107) -489.56,-1108.56 -199,-818 518,-818 P3.7 600,-1339 P1.13
P33: P1.12 P2.8 P3.8 U1.3 | length 1951.1
  Top Layer w15: U1.3 -632.95,-1061 v1(-527,-1061)
  Bottom Layer w15: -509.5,-1043.5 -243,-777 577,-777 P3.8 700,-1339 P1.12
  Bottom Layer w18: v1(-527,-1061) -509.5,-1043.5
P34: J3.4 P1.15 P2.5 P3.5 | length 2449
  Top Layer w15: J3.4 -1296.74,-1846 v1(-1142,-1846) ; P1.15 P1.15@400,-1339
  Bottom Layer w15: v1(-1142,-1846) -864,-1568 320,-1568 395,-1493 P1.15 400,-1339 P3.5
P35: J3.3 P1.14 P2.6 P3.6 | length 2561.7
  Top Layer w15: J3.3 v1(-1148.48,-1918.48) ; P1.14 P1.14@500,-1339
  Bottom Layer w15: v1(-1148.48,-1918.48) -835,-1605 358,-1605 495,-1468 P1.14 500,-1339 P2.6 P3.6
RX: P4.15 P5.5 | length 277.2
  Bottom Layer w15: P4.15 P5.5
SD0: P4.2 P5.18 | length 277.2
  Bottom Layer w15: P4.2 P5.18
SD1: P4.3 P5.17 | length 277.2
  Bottom Layer w15: P4.3 P5.17
SD2: P1.4 P2.16 P3.16 | length 446.1
  Bottom Layer w15: P1.4 1500,-1339 P3.16
SD3: P1.3 P2.17 P3.17 | length 446.1
  Bottom Layer w15: P1.3 1600,-1339 P3.17
TX: P4.16 P5.4 | length 277.2
  Bottom Layer w15: P4.16 P5.4
pads on no net: J1.1 J1.8 J1.9 S1.0 S1.3
copper on no net:
  other v2: -1430.57,-2495.68 1719.03,-2490.64 -1430.57,658.97 1719.03,658.97

## Polygon pours and split planes (outlines as drawn)
GND on Bottom Layer "Bottom Layer-No Net" (solid, remove dead copper, pour order 10): -1782,882 1950,882 2010,822 2010,-2744 -1580,-2744 -1853,-2471
GND on Top Layer "Bottom Layer-No Net" (solid, remove dead copper, pour order 12): -1693,872 -1658,837 1937,837 1981,793 1981,-2679 -1722,-2679 -1761,-2640

## Keep-outs
Keep-Out Layer:
  circle w10: c1768,-643 r22
  circle w10: c1768,-329 r22
  pour cut-out: 1746,-643 ccw(c1768,-643) 1768,-665 ccw(c1768,-643) 1790,-643 ccw(c1768,-643) 1768,-621 ccw(c1768,-643)
  pour cut-out: 1746,-329 ccw(c1768,-329) 1768,-351 ccw(c1768,-329) 1790,-329 ccw(c1768,-329) 1768,-307 ccw(c1768,-329)
  lines w15.75: -1627.41,-2451.25 ccw(c-1469.93,-2451.25) -1469.93,-2608.73 1758.42,-2608.73 ccw(c1758.42,-2451.25) 1915.9,-2451.25 1915.9,619.61 ccw(c1758.42,619.61) 1758.42,777.09 -1469.93,777.09 ccw(c-1469.93,619.61) -1627.41,619.61 -1627.41,-2451.25

## Other copper
Top Layer:
  rectangle net GND: -795,-1944 -680,-1924
  rectangle net GND: -777.6,-1785 -680,-1756.62
  rectangle net GND: -794,-1188 -680,-1162
  rectangle net GND: -795,-1005 -681,-980
Bottom Layer:
  rectangle net GND: -781,-1917 -690,-1779
  rectangle net GND: -762.16,-1156 -707,-1052.84

## Silkscreen, mask and mechanical layers (free items; w line width, h text height)
Top Overlay:
  lines w10: 5,-713 5,-511 234,-511 239,-506 239,-452 10,-452 5,-447 5,-377 8,-374 230,-374 233,-374 233,-312 8,-312 5,-309 5,-229 234,-229 ; 711.5,-676.5 478.5,-443.5 712,-210 712,-676 ; 713,-354 1107,-354 1107,-536 715,-536
  text "3V3 P4 P0 GND" at 1101.24,665.18 h60
  text "GND" at 159.24,657.18 h60
  text "TX RX           / 5v  21 19  GND" at 562,623 h60
  text "ON" at -1207,557 h60 r90
  text "OFF" at -522,517 h60 r90
  text "5V P4 P0 GND" at 1120.24,399.18 h60
  text "5V 5V 3V3 3V3" at 33.24,387.18 h60
  text "SDA  SCL" at 1178.24,347.18 h60
  text "5V  18   5   GND /      TX RX" at 552,340 h60
  text "+" at -1192.18,144.24 h160 r90
  text "12V   GND" at -1149.18,132.24 h100 r270
  text "GND" at 21.5,99.06 h60 r90
  text "P23" at 121.5,99.06 h60 r90
  text "P22" at 221.5,99.06 h60 r90
  text "TX" at 321.5,99.06 h60 r90
  text "RX" at 421.5,99.06 h60 r90
  text "P21" at 521.5,99.06 h60 r90
  text "GND" at 621.5,99.06 h60 r90
  text "P19" at 721.5,99.06 h60 r90
  text "P18" at 821.5,99.06 h60 r90
  text "P5" at 921.5,99.06 h60 r90
  text "P17" at 1021.5,99.06 h60 r90
  text "P16" at 1121.5,99.06 h60 r90
  text "P4" at 1221.5,99.06 h60 r90
  text "P0" at 1321.5,99.06 h60 r90
  text "P2" at 1421.5,99.06 h60 r90
  text "P15" at 1521.5,99.06 h60 r90
  text "SD1" at 1621.5,99.06 h60 r90
  text "SD0" at 1721.5,99.06 h60 r90
  text "CLK" at 1821.5,99.06 h60 r90
  text "-" at -1195.18,-453.76 h160 r90
  text "33 / 32" at -585,-1127 h60
  text "23 /  / 22" at -1188.78,-1160.22 h60
  text "3v3" at 0,-1278 h60 r90
  text "EN" at 100,-1278 h60 r90
  text "SVP" at 200,-1278 h60 r90
  text "SVN" at 300,-1278 h60 r90
  text "P34" at 400,-1278 h60 r90
  text "P35" at 500,-1278 h60 r90
  text "P32" at 600,-1278 h60 r90
  text "P33" at 700,-1278 h60 r90
  text "P25" at 800,-1278 h60 r90
  text "P26" at 900,-1278 h60 r90
  text "P27" at 1000,-1278 h60 r90
  text "P14" at 1100,-1278 h60 r90
  text "P12" at 1200,-1278 h60 r90
  text "GND" at 1300,-1278 h60 r90
  text "P13" at 1400,-1278 h60 r90
  text "SD2" at 1500,-1278 h60 r90
  text "SD3" at 1600,-1278 h60 r90
  text "CMD" at 1700,-1278 h60 r90
  text "5v" at 1800,-1278 h60 r90
  text "25 / 26" at -562.81,-1879.78 h60
  text "34 /  / 35" at -1211,-1947 h60
  text "www.1zlab.com" at 555,-2129 h137.8
  text "12 5V GND" at 1039,-2358 h60
  text "27  5V GND" at 559,-2360 h60
  text "2018.9.1-v2.1" at -1117,-2524 h90